# Altium PCB FULL_CB_REV_D.PcbDoc
Units mm, origin at the board's own origin, x right, y up, seen from the top; angles counter-clockwise.
Board outline 86 x 38.5 mm, 2 copper layers (Top Layer, Bottom Layer), stack 1.571 mm thick; 34 components, 86 nets, 237 pads, 118 vias.
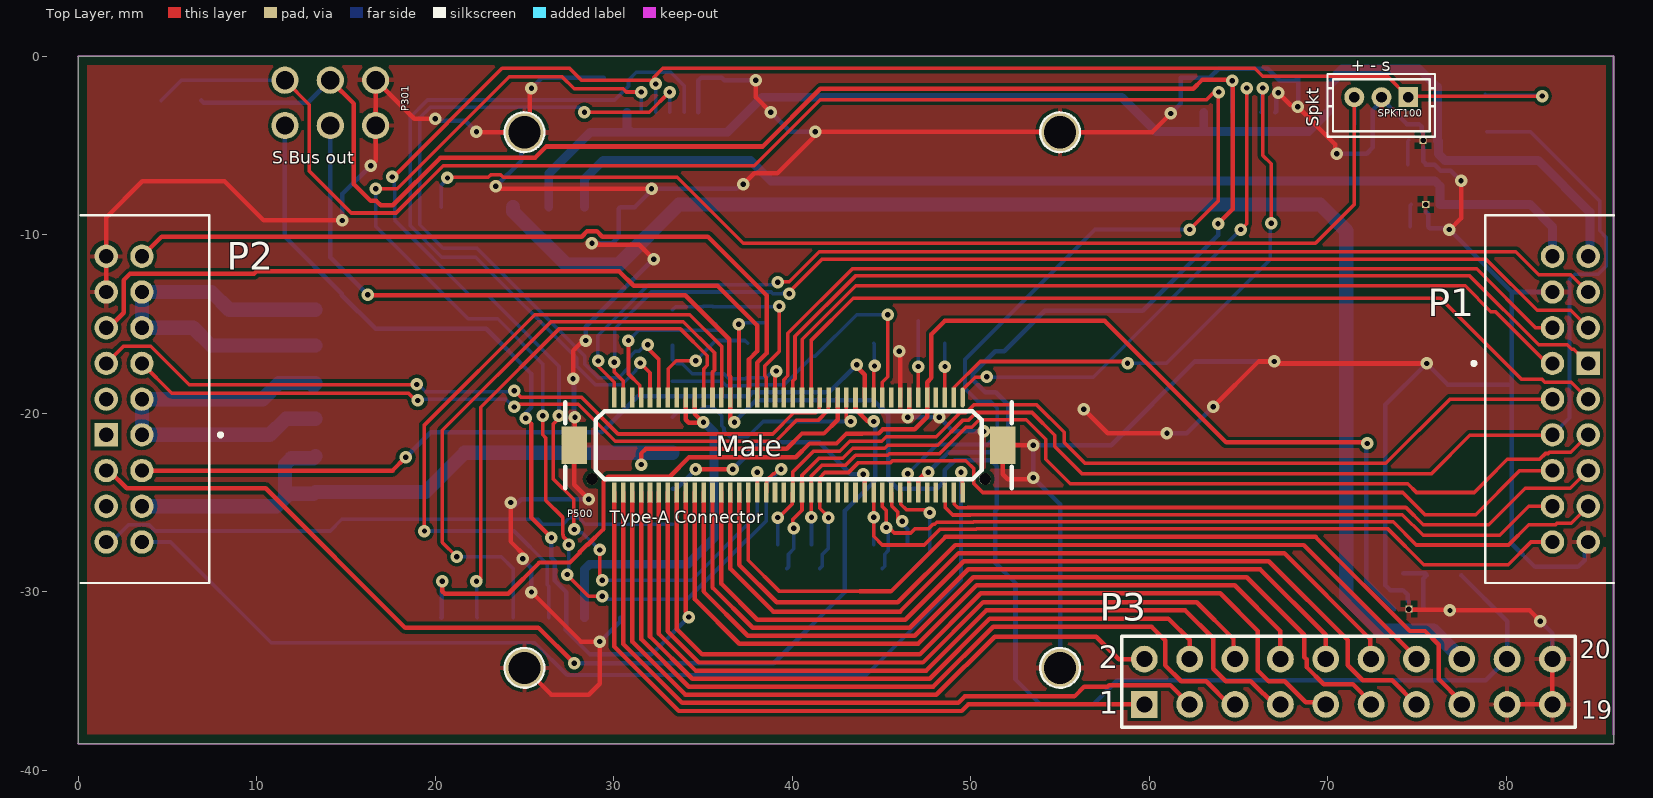
[diagram p0: Top Layer view]
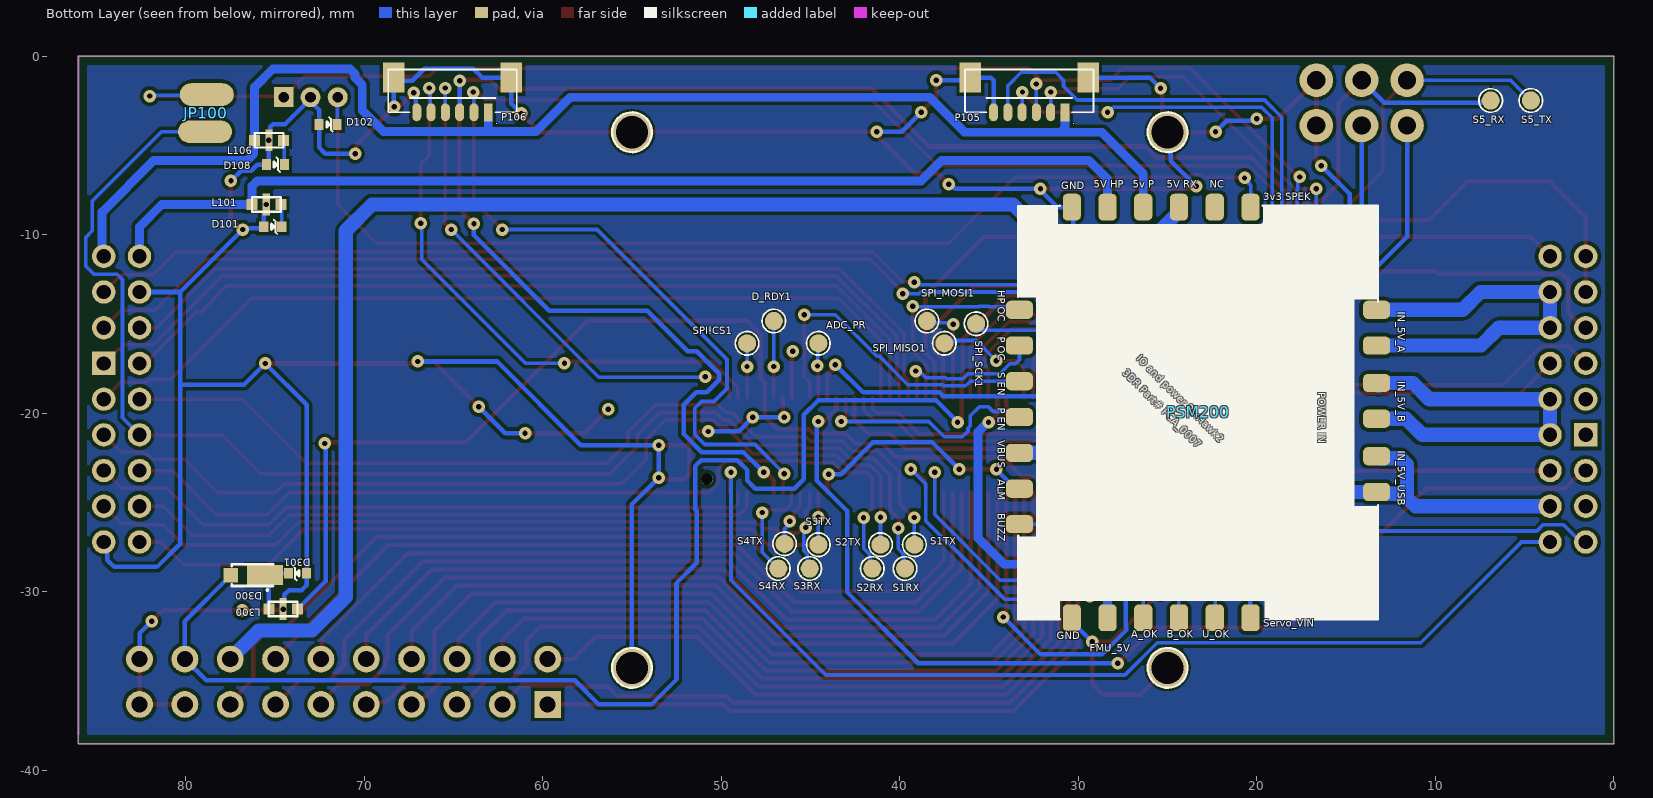
[diagram p1: Bottom Layer view, seen from below]
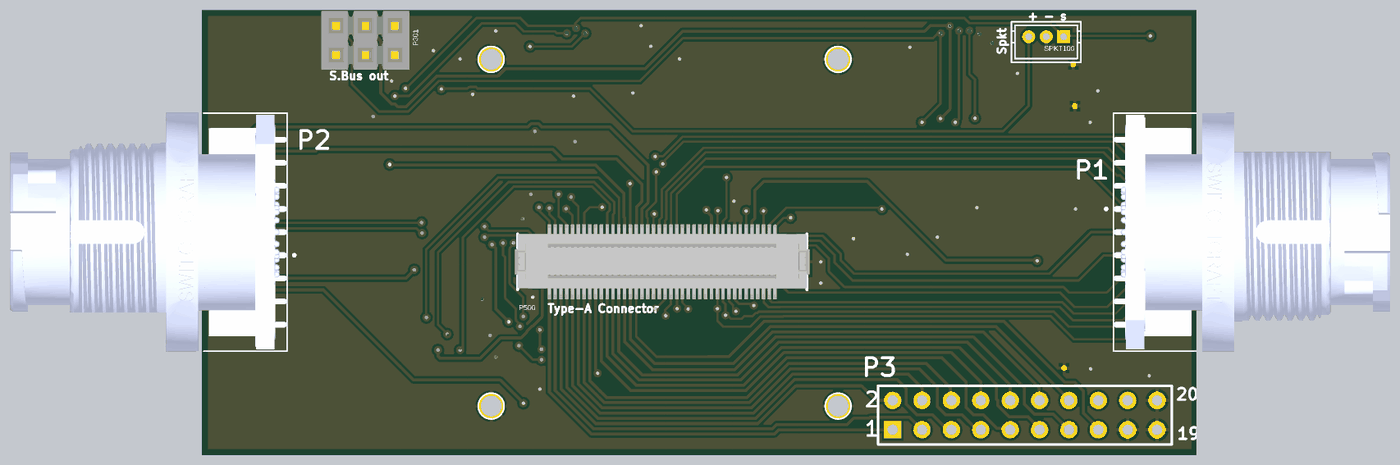
[diagram p2: 3D render of the assembled board from above, using the file's embedded part models]
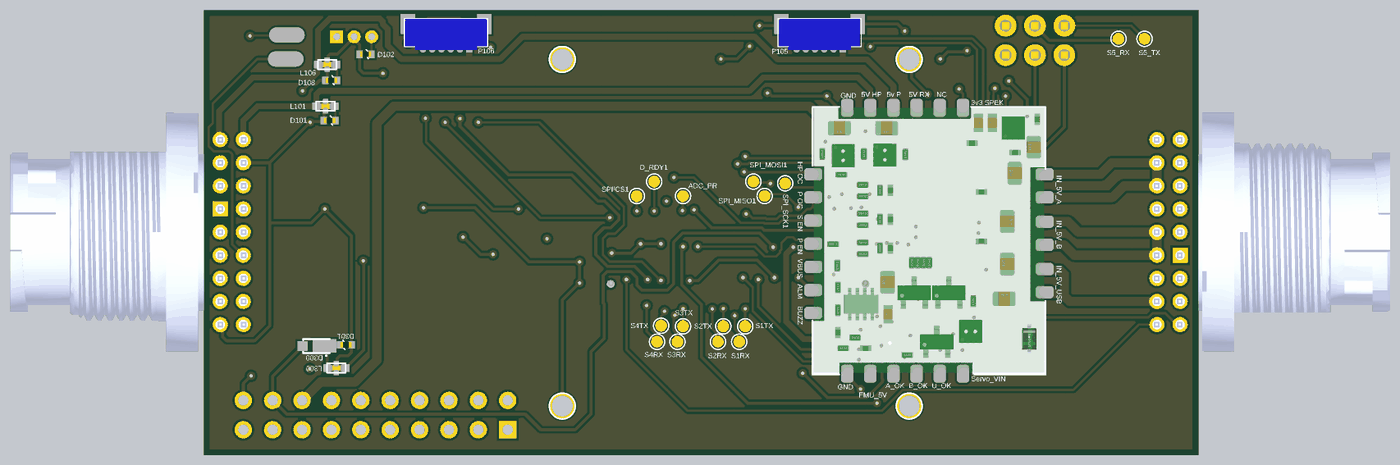
[diagram p3: 3D render of the assembled board from below, using the file's embedded part models]

## Layer stack, top to bottom
Top Solder: solder mask 0.0102, Solder Resist, Dk 3.5
Top Layer: signal copper 0.0356
Dielectric 1: core 1.5, FR-4, Dk 4.8
Bottom Layer: signal copper 0.0356
Bottom Solder: solder mask 0.0102, Solder Resist, Dk 3.5

## Board outline
0,-38.5 0,0 86,0 86,-38.5

## Design rules (kind name [scope] priority, off if disabled: settings)
Clearance "Polygon clearance" [InPolygon vs InPolygon] p1: gap=0.3 ignorepadtopadclearanceinfootprint=FALSE except(0: Arc-Hole Track-Hole SMDPad-Hole THPad-Hole Via-Hole Fill-Hole Poly-Hole Region-Hole Text-Hole)
Clearance Clearance_1 [All] p2: gap=0.2 ignorepadtopadclearanceinfootprint=FALSE
Clearance mdViaVia [IsVia vs IsVia] p3: gap=0.25 ignorepadtopadclearanceinfootprint=FALSE
Clearance mdPadVia [IsPad vs IsVia] p4: gap=0.25 ignorepadtopadclearanceinfootprint=FALSE
Clearance mdPadPad [IsPad vs IsPad] p5: gap=0.2 ignorepadtopadclearanceinfootprint=FALSE
Clearance mdWireVia [(InLayerClass('Signal Layers') AND IsTrack) vs IsVia] p6: gap=0.25 ignorepadtopadclearanceinfootprint=FALSE
Clearance mdWirePad [(InLayerClass('Signal Layers') AND IsTrack) vs IsPad] p7: gap=0.25 ignorepadtopadclearanceinfootprint=FALSE
Clearance mdWireWire [(InLayerClass('Signal Layers') AND IsTrack) vs (InLayerClass('Signal Layers') AND IsTrack)] p8: gap=0.25 ignorepadtopadclearanceinfootprint=FALSE
ComponentClearance ComponentClearance_1 [(HasFootprint('ed') OR HasFootprint('CON-DF17-80M') OR HasFootprint('DF40-70_RECEPTICAL') OR HasFootprint('PSM') OR HasFootprint('PEM-SMTSO-M1.6-2-ET') OR HasFootprint('HEADER_1X06-FTDI') OR HasFootprint('3DR-WORDMARK-short'))] p1: gap=0 collisioncheckmode=3 verticalgap=0 showdistances=FALSE
ComponentClearance [All] p2 off: gap=0.076 collisioncheckmode=3 verticalgap=0 showdistances=FALSE
HoleSize [All] p1: absolutevalues=TRUE maxlimit=2540 minlimit=0.2 maxpercent=80.000 minpercent=20.000
HoleToHoleClearance [All] p1: gap=0.203 allowstackedmicrovias=TRUE
MinimumSolderMaskSliver [All] p1 off: minsoldermaskwidth=0.254
PasteMaskExpansion [All] p1: expansion=0.025
PolygonConnect PolygonConnect_1 [(InComponent('U2') OR InComponent('L6') OR HasFootprint('PEM-SMTSO-M1.6-2-ET') OR HasFootprint('MOUNT-HOLE1.8'))] p1: connectstyle=Direct reliefconductorwidth=0.254 reliefentries=4 polygonreliefangle="90 Angle" airgapwidth=0.254
PolygonConnect ThermalVias [IsVia] p2: connectstyle=Direct reliefconductorwidth=0.254 reliefentries=4 polygonreliefangle="90 Angle" airgapwidth=0.254
PolygonConnect [All] p3: connectstyle=Relief reliefconductorwidth=0.254 reliefentries=4 polygonreliefangle="90 Angle" airgapwidth=0.254
RoomDefinition FULL_CB_Plugs_REV_D [InComponentClass('FULL_CB_Plugs_REV_D')] p1 off: confinementstyle=ConfineIn formatcopy=TRUE lockcomponents=FALSE outline -58.425,-116.2 -7.625,-116.2 -7.625,-90.8 -58.425,-90.8
RoomDefinition FULL_CB_80_Pin_REV_D [InComponentClass('FULL_CB_80_Pin_REV_D')] p2 off: confinementstyle=ConfineIn formatcopy=TRUE lockcomponents=FALSE outline -58.425,-116.2 -7.625,-116.2 -7.625,-90.8 -58.425,-90.8
RoomDefinition FULL_CB_tp_REV_D [InComponentClass('FULL_CB_tp_REV_D')] p3 off: confinementstyle=ConfineIn formatcopy=TRUE lockcomponents=FALSE outline -58.425,-116.2 -7.625,-116.2 -7.625,-90.8 -58.425,-90.8
RoomDefinition FULL_CB_Servo_REV_D [InComponentClass('FULL_CB_Servo_REV_D')] p4 off: confinementstyle=ConfineIn formatcopy=TRUE lockcomponents=FALSE outline -58.425,-116.2 -7.625,-116.2 -7.625,-90.8 -58.425,-90.8
RoomDefinition FULL_CB_Power_REV_D [InComponentClass('FULL_CB_Power_REV_D')] p5 off: confinementstyle=ConfineIn formatcopy=TRUE lockcomponents=FALSE outline -58.425,-116.2 -7.625,-116.2 -7.625,-90.8 -58.425,-90.8
RoutingVias [All] p1: holewidth=0.3 width=0.7 viastyle="Through Hole" minholewidth=0.3 minwidth=0.7 maxholewidth=0.711 maxwidth=1.27
SilkToBoardRegionClearance [All] p1 off:
SilkToSilkClearance [All] p1 off: silktosilkclearance=0.254
SilkToSolderMaskClearance [IsPad] p1 off: minsilkscreentomaskgap=0.254 clearancetoexposedcopper=TRUE
SolderMaskExpansion [All] p1: expansion=0.025 istentingtop=FALSE
Width [All] p1: maxlimit=2 minlimit=0.2 preferedwidth=0.25
22 further rules are at their usual default settings.

## Classes and differential pairs
component class FULL_CB_Plugs_REV_D: 3 D101 D102 D108 JP100 L101 L106 P1 P105 P106 SPKT100
component class FULL_CB_Power_REV_D: PSM200
component class FULL_CB_Servo_REV_D: D300 D301 L300 P2 P3 P301
component class FULL_CB_tp_REV_D: ADC_PR D_RDY1 S1RX S1TX S2RX S2TX S3RX S3TX S4RX S4TX S5_RX S5_TX SPI!CS1 SPI_MISO1 SPI_MOSI1 SPI_SCK1
component class FULL_CB_80_Pin_REV_D: FIDUCIALS1 P500

## Components (designator, comment, footprint, x,y, rotation, side; value= is the part's Value field where it differs from the comment)
ADC_PR "PAD.04" PAD.04X.04 44.556,-16.075 r0 bottom
D101 "DIODE-TVS" 0402-TVS 75.111,-9.545 r0 bottom
D102 "DIODE-TVS" 0402-TVS 72.008,-3.815 r0 bottom
D108 "DIODE-TVS" 0402-TVS 74.965,-6.064 r0 bottom
D300 "MSS1P4-M3" MICROSMP 76.795,-29.054 r0 bottom
D301 "DIODE-TVS" 0402-TVS 73.721,-28.952 r180 bottom
D_RDY1 "PAD.04" PAD.04X.04 47.05,-14.825 r180 bottom
JP100 "HEADER_2MM_RA_SMD" HEADER_2MM_RA_2 78.008,-3.186 r270 bottom
L101 "Kyocera KNH16C104DA5TS EMI filter" KYOCERA-KNH16-DA 75.475,-8.3 r180 bottom
L106 "Kyocera KNH16C104DA5TS EMI filter" KYOCERA-KNH16-DA 75.329,-4.707 r180 bottom
L300 "Kyocera KNH16C104DA5TS EMI filter" KYOCERA-KNH16-DA 74.534,-30.959 r180 bottom
P1 "EN3P18FRAPCBN" SWITCHCRAFT_EN3P18FRAPCBN 83.575,-19.2 r90 top locked
P2 "EN3P18FRAPCBN" SWITCHCRAFT_EN3P18FRAPCBN 2.575,-19.2 r270 top locked
P3 "Header 10X2" HDR2X10 59.715,-36.3 r0 top
P105 "JST_SUR_6" JST_SUR_H6 32.745,-1.138 r0 bottom
P106 "JST_SUR_6" JST_SUR_H6 65.046,-1.138 r0 bottom
P301 "con 2x6" TSW-103-07-G-D 14.124,-1.338 r90 top
P500 "CON-DF17-80M" ? 39.781,-21.779 r0 top locked
PSM200 "Power Selection module" PSM 23.042,-19.696 r270 bottom locked
S1RX "PAD.04" PAD.04X.04 39.7,-28.687 r0 bottom
S1TX "PAD.04" PAD.04X.04 39.175,-27.35 r0 bottom
S2RX "PAD.04" PAD.04X.04 41.533,-28.687 r0 bottom
S2TX "PAD.04" PAD.04X.04 41.075,-27.35 r0 bottom
S3RX "PAD.04" PAD.04X.04 45.039,-28.687 r0 bottom
S3TX "PAD.04" PAD.04X.04 44.556,-27.35 r0 bottom
S4RX "PAD.04" PAD.04X.04 46.8,-28.687 r180 bottom
S4TX "PAD.04" PAD.04X.04 46.45,-27.3 r180 bottom
S5_RX "PAD.04" PAD.04X.04 6.9,-2.475 r135 bottom
S5_TX "PAD.04" PAD.04X.04 4.65,-2.475 r225 bottom
SPI!CS1 "PAD.04" PAD.04X.04 48.55,-16.075 r0 bottom
SPI_MISO1 "PAD.04" PAD.04X.04 37.5,-16.075 r0 bottom
SPI_MOSI1 "PAD.04" PAD.04X.04 38.475,-14.825 r180 bottom
SPI_SCK1 "PAD.04" PAD.04X.04 35.723,-14.975 r90 bottom
SPKT100 "CONN_SPEKTRUM_RX-TH" B3B-ZR 72.999,-2.291 r180 top

## Footprints (in the part's own frame and the unit in brackets; to place one, negate y for a bottom-side part, rotate by r counter-clockwise, add the part's x,y. Pads: shape width x height; smd on the part's side, far side on the other; paste and mask are expansions set on the pad)
0402-TVS [mil] "0402-TVS"
  rect 20x24 smd: A(20,0) C(-19.68,0)
  silkscreen extent -10,-16 3,16, body extent -20,-10 20,10, height 20
B3B-ZR [mil]
  rect 44x44 hole 24: 1(-59.06,0)
  round 44 hole 24: 2(0,0) 3(60,0)
  silkscreen extent -118,-51 119,87
HDR2X10 [mm] "Connector; Header; 10x2 Position"
  rect 1.5x1.5 hole 0.9: 1(0,0)
  round 1.5 hole 0.9: 2(0,2.54) 3(2.54,0) 4(2.54,2.54) 5(5.08,0) 6(5.08,2.54) 7(7.62,0) 8(7.62,2.54) 9(10.16,0) 10(10.16,2.54) 11(12.7,0) 12(12.7,2.54) 13(15.24,0) 14(15.24,2.54) 15(17.78,0) 16(17.78,2.54) 17(20.32,0) 18(20.32,2.54) 19(22.86,0) 20(22.86,2.54)
  silkscreen extent -1.27,-1.27 24.13,3.81
HEADER_2MM_RA_2 [mil]
  rrect100% 50x119 smd: 1(-41.19,-31.46) 2(40.8,-35.39)
JST_SUR_H6 [mm]
  rect 0.5x1 smd: 1(-2,2)
  rrect100% 0.5x1 smd: 2(-1.2,2) 3(-0.4,2) 4(0.4,2) 5(1.2,2) 6(2,2)
  rect 1.2x1.7 smd: GND(-3.3,0.05) GND(3.3,0.05)
  silkscreen extent -3.6,-0.4 3.6,2, body extent -3.5,-0.4 3.5,2.3, height 1.7
KYOCERA-KNH16-DA [mil] "KYOCERA-KNH16-DA"
  rect 16x16 smd: GND(0,-15.75) GND(0,16)
  rect 16x16 hole 12: GND(0,0)
  rect 24x24 smd: P$1(-31.5,0) P$2(32,0)
  silkscreen extent -31,-16 32,16, body extent -20,-10 20,10, height 14
MICROSMP [mil]
  rect 32x32 smd: ANODE(26,0)
  rect 79x44 smd: CATHODE(-49.21,0)
  silkscreen extent -67,-24 24,35
PAD.04X.04 [mil]
  rrect100% 40x40 smd paste-78.74: P$1(0,0)
  silkscreen extent -26,-26 26,26
PSM [mm]
  rrect50% 1.5x1.016 smd: 5V_HIPOWER(-11.25,-5.318) 5V_PERIPH(-11.25,-3.317) !VBUS_VALID(11.75,0.686) !VDD_BACKUP_VALID(11.75,-1.318) !VDD_BRICK_VALID(11.75,-3.317) GND(-11.25,-7.318) GND(11.75,-7.318) NC(-11.25,0.686) RX(-11.25,-1.318) SERVO_IN(11.75,2.692) SPEK(-11.25,2.692) VDD_5V_IN_PROT(11.75,-5.318)
  rrect50% 1.016x1.5 smd: !VDD_5V_HIPOWER_OC(-5.5,-10.25) !VDD_5V_PERIPH_EN(0.508,-10.25) !VDD_5V_PERIPH_OC(-3.5,-10.25) ALARM(4.521,-10.25) BUZZER_OUT(6.502,-10.25) VBUS(2.515,-10.25) VDD_3V3_SPEKTRUM_EN(-1.5,-10.25) VDD_5V_BACKUP(-1.4,9.75) VDD_5V_BACKUP(0.6,9.75) VDD_BRICK_IN(-5.5,9.75) VDD_BRICK_IN(-3.5,9.75) VDD_VBUS(2.7,9.75) VDD_VBUS(4.7,9.75)
  silkscreen extent -11.33,-10.32 11.9,9.83, body extent -11.3,-10.24 11.66,9.73, height 2.11
SWITCHCRAFT_EN3P18FRAPCBN [mm]
  rect 1.308x1.308 hole 0.8: 1(2,-1)
  round 1.308 hole 0.8: 2(4,1) 3(6,-1) 4(6,1) 5(8,-1) 6(0,1) 7(-8,-1) 8(-6,1) 9(-6,-1) 10(-4,1) 11(-2,-1) 12(2,1) 13(4,-1) 14(8,1) 15(-8,1) 16(-4,-1) 17(-2,1) 18(0,-1)
  silkscreen extent -10.3,-2.44 10.3,5.5, body extent -11.92,-38.47 11.92,4.83, height 23.32
TSW-103-07-G-D [mil] "2x6 pin"
  round 60 / inner round 60 / far side round 74.02 hole 40.16: 1(-100,100) 2(0,100) 3(-100,0) 4(0,0) 5(-100,-100) 6(0,-100)
  body extent -150,-150 50,150, height 330
? [mil]
  rrect100% 10x44 smd: 1(384,105)
  rect 10x44 smd: 2(384,-104.33) 3(365,105) 4(365,-104.33) 5(345,105) 6(345,-104.33) 7(325,105) 8(325,-104.33) 9(306,105) 10(306,-104.33) 11(286,105) 12(286,-104.33) 13(266,105) 14(266,-104.33) 15(247,105) 16(247,-104.33) 17(227,105) 18(227,-104.33) 19(207,105) 20(207,-104.33) 21(188,105) 22(188,-104.33) 23(168,105) 24(168,-104.33) 25(148,105) 26(148,-104.33) 27(128,105) 28(128,-104.33) 29(109,105) 30(109,-104.33) 31(89,105) 32(89,-104.33) 33(69,105) 34(69,-104.33) 35(50,105) 36(50,-104.33) 37(30,105) 38(30,-104.33) 39(10,105) 40(10,-104.33) 41(-9.84,105) 42(-9.84,-104.33) 43(-29.53,105) 44(-29.53,-104.33) 45(-49.21,105) 46(-49.21,-104.33) 47(-68.9,105) 48(-68.9,-104.33) 49(-88.58,105) 50(-88.58,-104.33) 51(-108.27,105) 52(-108.27,-104.33) 53(-127.95,105) 54(-127.95,-104.33) 55(-147.64,105) 56(-147.64,-104.33) 57(-167.32,105) 58(-167.32,-104.33) 59(-187.01,105) 60(-187.01,-104.33) 61(-206.69,105) 62(-206.69,-104.33) 63(-226.38,105) 64(-226.38,-104.33) 65(-246.06,105) 66(-246.06,-104.33) 67(-265.75,105) 68(-265.75,-104.33) 69(-285.43,105) 70(-285.43,-104.33) 71(-305.12,105) 72(-305.12,-104.33) 73(-324.8,105) 74(-324.8,-104.33) 75(-344.49,105) 76(-344.49,-104.33) 77(-364.17,105) 78(-364.17,-104.33) 79(-383.86,105) 80(-383.86,-104.33)
  round 87 hole 71: GND(-582,-491) GND(-582,690) GND(599,-491) GND(599,690)
  rect 56x83 smd: GND(-472.44,0) GND(473,0)
  round 26 hole 26 unplated: hole-1(-433.07,-74.8) hole-2(434,-74.8)
  silkscreen extent -626,-535 643,734, body extent -492,-109 492,115, height 124

## Part data
D101 D102 D108 D301: "Diode, TVS, 14VWM, 40VC, 0402, SMD", Supplier Part Number 1=650-PESD0402-140, Supplier 1=Mouser
D300: library part DIODE-SCHOTTKY_MSMP, "Diode, Schottky, 40V, 1A, MicroSMP, SMD", Supplier Part Number 1=15R2105, Supplier 1=Newark
JP100: "Connector, PCB, 2MM, 2Pos, R/A, SMD, Au", Supplier Part Number 1=830-10-002-40-001101-ND, Supplier 1=Digi-Key
L101 L106 L300: library part KNH16C104DA5TS, "Capacitor, Filter, 0.1uF, 25V, 2A, 0603, SMD", Supplier Part Number 1=478-6878-1-ND, Supplier 1=Digi-Key
P1 P2: Package=None, Availability=Unavailable, MP=EN3P18FRAPCBN, Price=None
P3: "Header, 10-Pin, Dual row", LatestRevisionDate=17-Jul-2002, LatestRevisionNote="Re-released for DXP Platform.", Publisher="Altium Limited"
P105 P106: "Connector, Header, 6Pos, .8mm IDC, R/A, SMD, Tin", Supplier Part Number 1=SM06B-SURS-TF(LF)(SN)-ND, Supplier 1=Digi-Key
P301: "Connector, Header, 6Pos, 2.54MM, Vert, THT, Au", Supplier Part Number 1=79P3920, Supplier 1=Newark
P500: "Connector, Header, 80Pos, .5MM, DUAL, SMD, Au", Supplier Part Number 1=DF17(1.0H)-80DP-0.5V(57)-ND, Supplier 1=Digi-Key
PSM200: library part PSMPSM, "PCA, PSM, Assembly"
SPKT100: "Spektrum RX connector; JST ZH series S3B-ZR-SM4A-TF", PARTNO=B3B-ZR(LF)(SN)

## Via types
v1: diameter 0.7, hole 0.3, Top Layer to Bottom Layer, tented both sides, 118 vias

## Nets (pads, with @x,y where several pads share a name; then routed paths per layer and width w, separated by ;. In a path a pad name is that pad's centre, name@x,y a point inside that pad or via, vN(x,y) a via of type N, cw(c..) or ccw(c..) an arc to the next point about the centre after c; other vN are vias at no path point)
ALARM: P500.24 PSM200.ALARM | length 13.6
  Top Layer w0.254: v1(34.581,-23.135) v1(36.657,-23.135) ; v1(43.977,-23.401) 44.048,-23.472 P500.24
  Bottom Layer w0.254: PSM200.ALARM 33.517,-24.217 34.581,-23.152 v1(34.581,-23.135) ; v1(36.657,-23.135) 38.167,-21.625 41.501,-21.625 43.277,-23.401 v1(43.977,-23.401)
AUX_BATT_CURRENT_SENS: P2.13 P500.25 | length 59.8
  Top Layer w0.254: P2.13 1.725,-23.2 2.725,-24.2 10.51,-24.2 18.31,-32 25.783,-32 v1(27.783,-34) ; P500.25 43.54,-19.774 43.558,-19.774 44.234,-20.45 v1(44.556,-20.45)
  Bottom Layer w0.254: v1(27.783,-34) 38.954,-34 42.95,-30.004 42.95,-25.461 44.654,-23.757 44.654,-20.548 v1(44.556,-20.45)
AUX_BATT_VOLTAGE_SENS: P2.2 P500.23 | length 44.5
  Top Layer w0.254: P2.2 17.61,-23.2 v1(18.35,-22.46) ; v1(43.6,-17.275) 43.6,-17.396 44.048,-17.844 P500.23
  Bottom Layer w0.254: v1(18.35,-22.46) 19.76,-21.05 29.325,-21.05 31.344,-19.031 37.559,-19.031 37.769,-18.821 42.054,-18.821 v1(43.6,-17.275)
BATT_CURRENT_SENS_PROT: P2.16 P500.49 | length 44.3
  Top Layer w0.254: P2.16 1.725,-15.2 2.556,-14.369 2.556,-12.531 2.906,-12.181 9.851,-12.181 9.982,-12.05 30.307,-12.05 31.113,-12.856 35.815,-12.856 38.027,-15.068 38.027,-16.527 37.575,-16.979 37.575,-18.561 37.531,-18.606 P500.49
BATT_VOLTAGE_SENS_PROT: P2.15 P500.47 | length 43
  Top Layer w0.25: P2.15 4.675,-10.1 28.201,-10.1 28.501,-9.8 29.06,-9.8 29.36,-10.1 35.275,-10.1 38.558,-13.383 38.558,-16.636 38.027,-17.166 38.027,-19.108 P500.47
BUZZER_OUT: P2.5 PSM200.BUZZER_OUT | length 32.9
  Bottom Layer w0.2: P2.5 1.859,-27.2 2.834,-26.225 3.949,-26.225 4.31,-26.586 14.124,-26.586 14.774,-25.936 25.761,-25.936 26.023,-26.198 27.166,-26.198 27.514,-25.851 28.052,-25.851 28.399,-26.198 PSM200.BUZZER_OUT
CAN_H_1: P1.3 P500.79 | length 62.2
  Top Layer w0.2: v1(29.133,-17.063) 29.133,-17.092 29.1,-17.125 29.1,-17.331 30.031,-18.262 P500.79 ; v1(39.178,-12.65) 39.197,-12.631 39.828,-12.631 41.509,-10.95 80.525,-10.95 81.806,-12.231 83.606,-12.231 P1.3
  Bottom Layer w0.2: v1(29.133,-17.063) 29.1,-17.03 29.1,-15.65 31.95,-12.8 38.95,-12.8 39.125,-12.625 39.153,-12.625 v1(39.178,-12.65)
CAN_H_2: P1.2 P500.41 | length 49.4
  Top Layer w0.2: P500.41 39.531,-18.116 39.752,-17.895 39.752,-15.519 43.371,-11.9 78.325,-11.9 81.621,-15.196 82.571,-15.196 P1.2
CAN_H_3: P500.10
CAN_L_1: P1.13 P500.77 | length 62
  Top Layer w0.2: v1(30.031,-17.125) 30.031,-17.681 30.531,-18.181 P500.77 ; v1(39.839,-13.3) 39.801,-13.263 39.801,-13.224 41.65,-11.375 78.871,-11.375 81.721,-14.225 83.6,-14.225 P1.13
  Bottom Layer w0.2: v1(30.031,-17.125) 30.05,-17.106 30.05,-15.266 32.116,-13.2 38.809,-13.2 38.909,-13.3 39.447,-13.3 39.547,-13.2 39.739,-13.2 v1(39.839,-13.3)
CAN_L_2: P1.1 P500.39 | length 51.3
  Top Layer w0.2: P500.39 40.035,-18.178 40.152,-18.061 40.152,-15.685 43.537,-12.3 77.95,-12.3 81.804,-16.154 83.404,-16.154 83.65,-16.4 83.775,-16.4 P1.1
CAN_L_3: P500.8
E\X\T\E\R\N\_\C\S\: P500.5 SPI!CS1.P$1 | length 3
  Top Layer w0.2: P500.5 48.546,-19.109 48.546,-17.377 v1(48.549,-17.375)
  Bottom Layer w0.2: v1@48.549,-17.374 SPI!CS1.P$1
EXTERN_DRDY: D_RDY1.P$1 P500.11 | length 4.3
  Top Layer w0.2: P500.11 v1(47.045,-17.375)
  Bottom Layer w0.2: v1(47.045,-17.375) 47.048,-17.373 47.048,-14.827 D_RDY1.P$1
F\M\U\-\L\E\D\_\A\M\B\E\R\: P2.14 P500.2 | length 58.4
  Top Layer w0.2: v1(49.45,-23.3) 49.507,-23.357 49.507,-24.402 P500.2
  Bottom Layer w0.2: P2.14 5.175,-27.2 10.82,-32.845 25.58,-32.845 27.385,-34.65 44.14,-34.65 49.45,-29.34 v1(49.45,-23.3)
FMU-!RESET: P500.7
FMU-CH1-PROT: P3.15 P500.50 | length 50.8
  Top Layer w0.2: P500.50 37.531,-28.221 39.281,-29.972 43.783,-29.972
  Top Layer w0.25: 43.783,-29.972 45.525,-29.972 48.577,-26.919 69.308,-26.919 74.575,-32.186 75.436,-32.186 76.2,-32.95 76.2,-34.875 77.495,-36.17 P3.15
FMU-CH2-PROT: P3.14 P500.52 | length 46.9
  Top Layer w0.25: P500.52 37.031,-28.489 39.126,-30.584 45.912,-30.584 49.127,-27.369 68.644,-27.369 74.955,-33.68 P3.14
FMU-CH3-PROT: P3.12 P500.54 | length 45.6